# Altium PCB VESC_DEVICE.PcbDoc (continued)
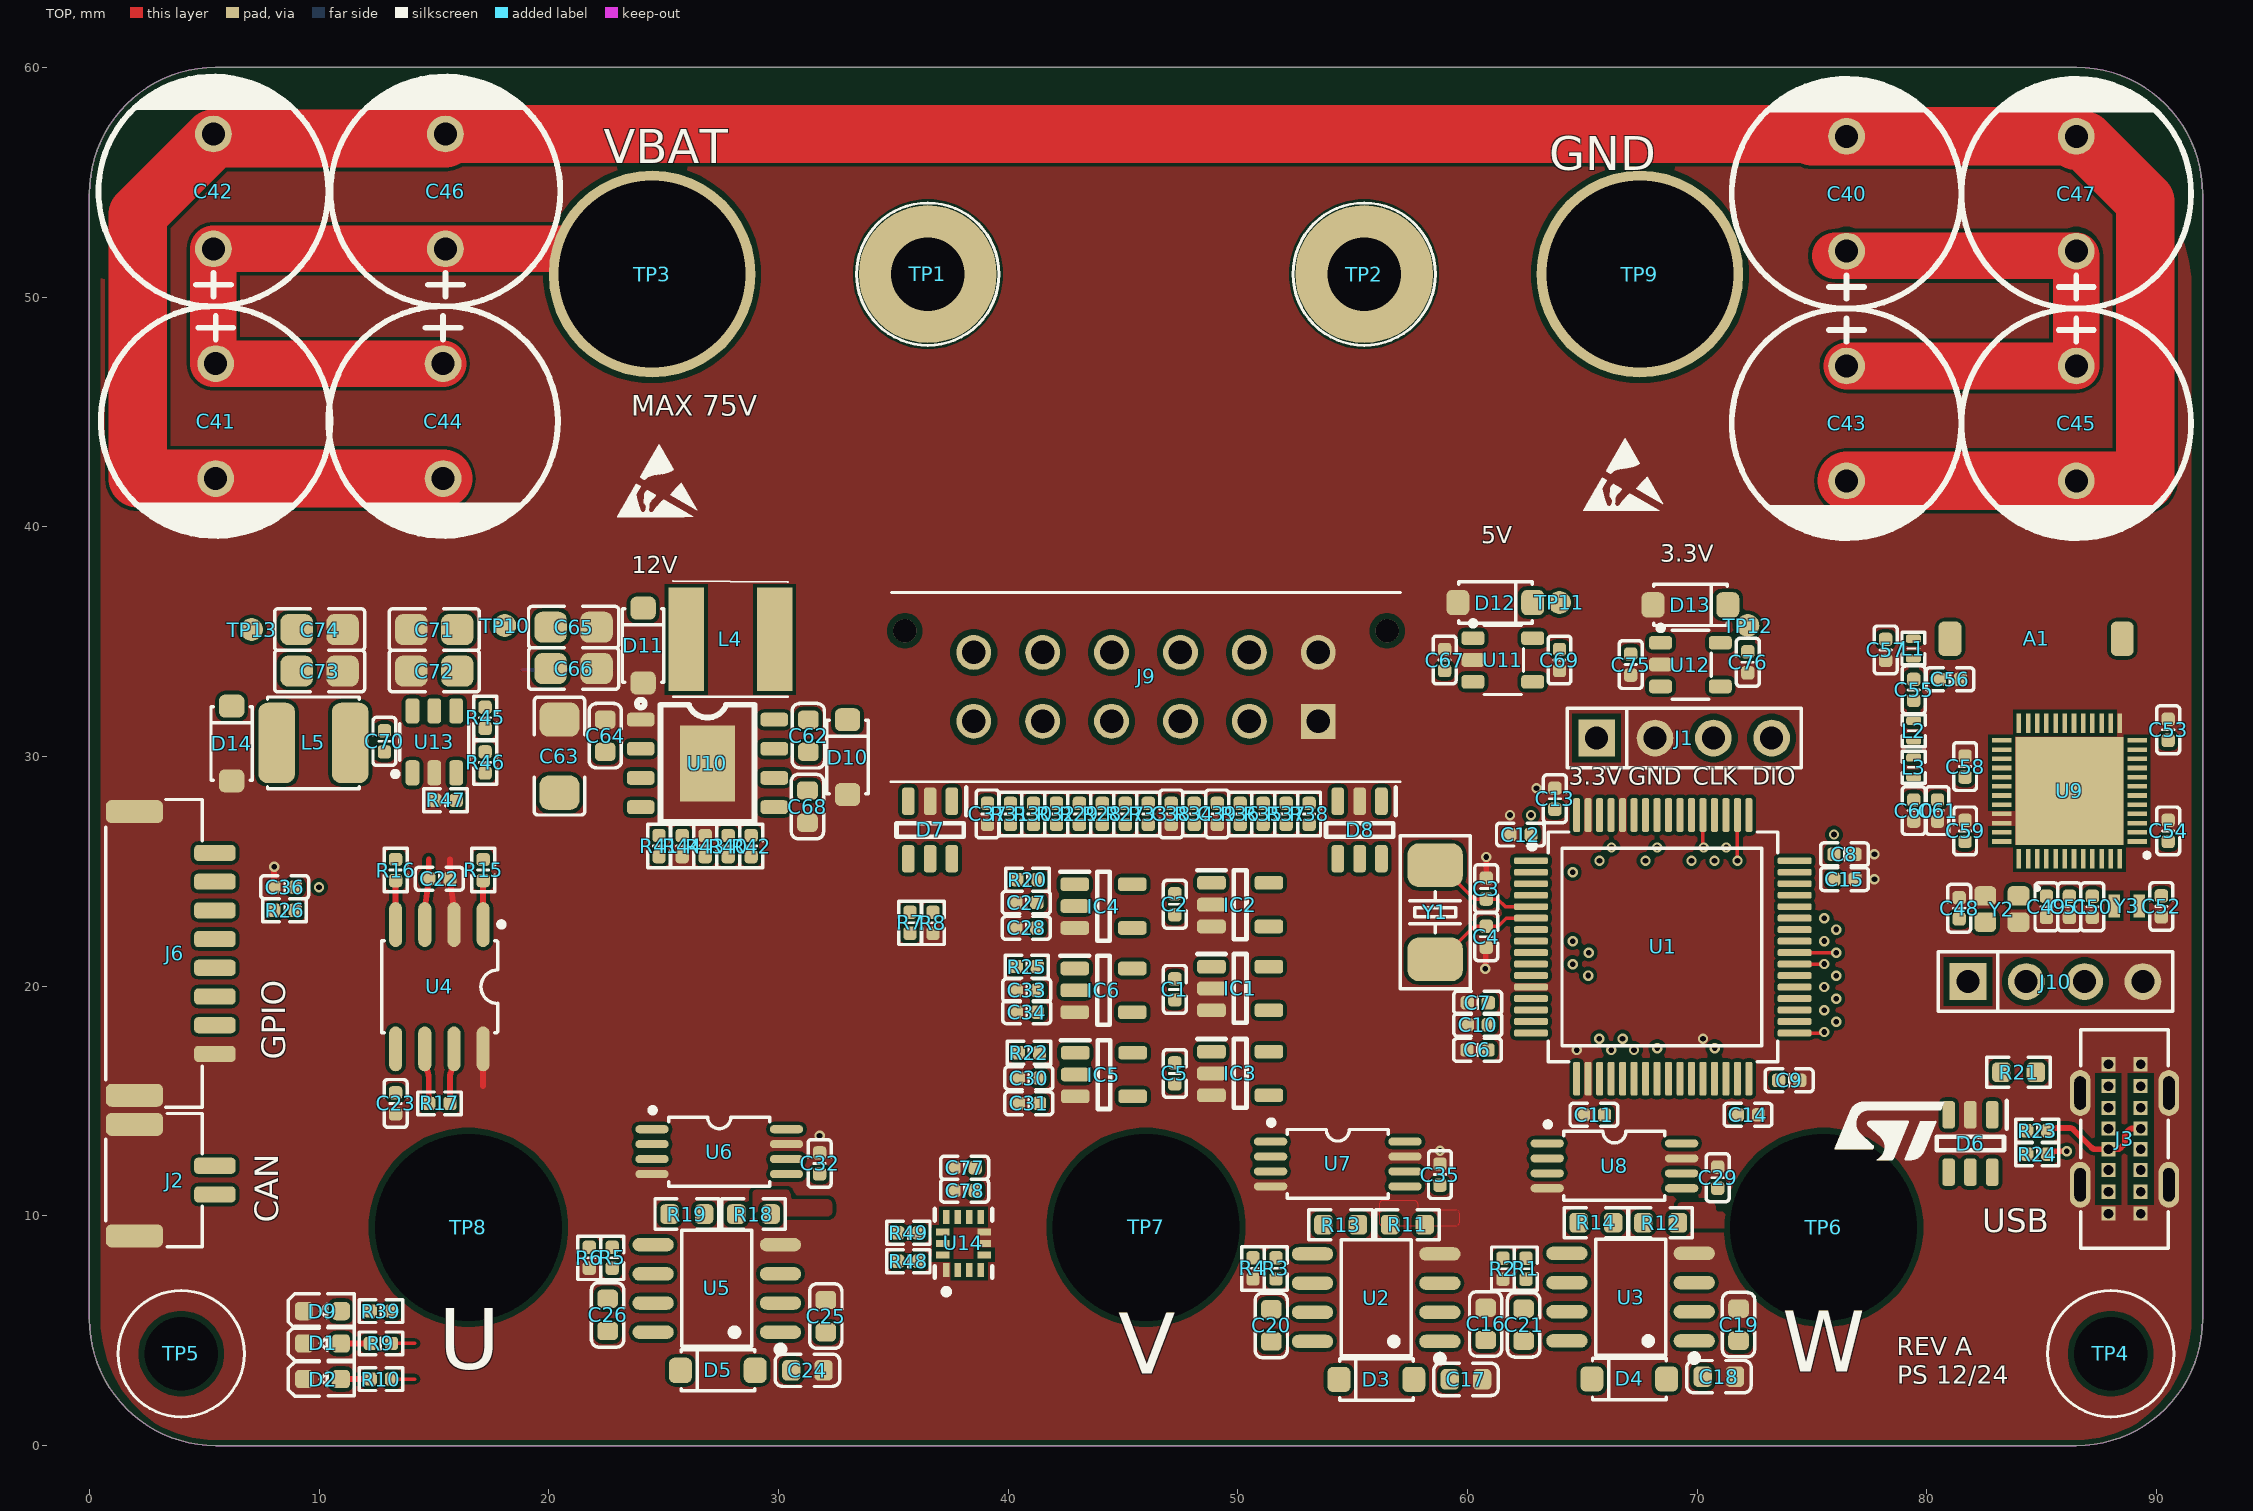
[diagram p0: TOP view]
## Footprints (in the part's own frame and the unit in brackets; to place one, negate y for a bottom-side part, rotate by r counter-clockwise, add the part's x,y. Pads: shape width x height; smd on the part's side, far side on the other; paste and mask are expansions set on the pad)
43045-12YY_121314 [mm]
  rect 1.52x1.52 hole 1.02: 1(7.5,-1.97)
  round 1.52 hole 1.02: 2(4.5,-1.97) 3(1.5,-1.97) 4(-1.5,-1.97) 5(-4.5,-1.97) 6(-7.5,-1.97) 7(7.5,1.03) 8(4.5,1.03) 9(1.5,1.03) 10(-1.5,1.03) 11(-4.5,1.03) 12(-7.5,1.03)
  round 1.02 hole 1.02 unplated: 13(10.5,1.97) 14(-10.5,1.97)
  silkscreen extent -11.1,-4.6 11.07,3.63, body extent -10.95,-4.51 11.19,4.26, height 8.83
ABS0532768KHZ9T [mm]
  rect 0.5x1 smd: 1(-0.55,0) 2(0.55,0)
  silkscreen extent -1.4,-0.05 -1.3,0.05, body extent -0.8,-0.5 0.8,0.5, height 0.5
ANT-2.4GHZ-8.0X1.0MM [mm] "ANT-2.4GHZ-8.0X1.0MM"
  rrect50% 1x1.5 smd: 1(-3.75,0) NC(3.75,0)
  body extent -4.75,-1.05 4.75,1.05, height 1
C0402 [mm] "C0402"
  rrect52% 0.58x0.58 smd mask+0.05: 1(-0.46,0) 2(0.46,0)
  silkscreen extent -1.04,-0.5 1.04,0.5, body extent -0.5,-0.25 0.5,0.25, height 0.55
C0603 [mil] "C0603"
  rrect50% 31.5x35.4 smd: 1(-27.6,0) 2(27.6,0)
  silkscreen extent -55,-28 55,28, body extent -32,-16 31,16, height 35
C0805 [mil] "C0805"
  rrect50% 55.5x53.1 smd: 1(-39.4,0) 2(39.4,0)
  silkscreen extent -77,-36 77,36, body extent -39,-25 39,25, height 55
C1206 [mil] "C1206"
  rrect50% 58.5x68 smd: 1(-62.7,0) 2(62.6,0)
  silkscreen extent -101,-43 101,43, body extent -63,-31 63,31, height 50
CAP-TH_BD10.0-P5.00-D0.6-FD [mm]
  round 1.6 hole 1 paste-2539.97 mask+0.05: 1(-2.5,0) 2(2.5,0)
  silkscreen extent -5,-5 5.08,5, body extent -4.99,-5 5,5, height 24.91
ESOP-8_L4.9-W3.9-P1.27-LS6.0-BL-EP [mm]
  rrect50% 0.6x1.2 smd: 1(-1.905,-2.908) 2(-0.635,-2.908) 3(0.635,-2.908) 4(1.905,-2.908) 5(1.905,2.908) 6(0.635,2.908) 7(-0.635,2.908) 8(-1.905,2.908)
  rect 3.3x2.4 smd: 9(0,0)
  silkscreen extent -2.77,-3.07 2.55,2.05, body extent -2.45,-3 2.45,3, height 1.5
HDR-SMD_6P-P1.27-V-M-R2-C3-LS5.3 [mm]
  rect 0.74x2.4 smd paste+0 mask+0.05: 1(-1.27,1.95) 2(-1.27,-1.95) 3(0,1.95) 4(0,-1.95) 5(1.27,1.95) 6(1.27,-1.95)
  silkscreen extent -2.2,-1.75 2.06,2.64
HOLE-4MM_M#1 [mm]
  round 6 hole 3.2: 1(0,0)
  silkscreen extent -3.1,-3.1 3.1,3.1
HOLE-4MM_M#2 [mm]
  round 0 hole 3.2 unplated: 1(0,0)
  silkscreen extent -2.75,-2.75 2.75,2.75
HOLE-8MM_M#1 [mm]
  round 9 / inner round 4 / far side round 9 hole 8.15: 1(0,0)
HOLE-8MM_M#2 [mm]
  round 0 hole 8.15 unplated: 1(0,0)
HOLE-8MM_M#3 [mm]
  round 9 / inner round 4 / far side round 9 hole 8.15: 1(1,0)
ISP-4P-2_54 [mm] "ISP-4P-2_54"
  rect 1.6x1.6 hole 1: 1(-3.81,0)
  round 1.6 hole 1: 2(-1.27,0) 3(1.27,0) 4(3.81,0)
  silkscreen extent -5.1,-1.3 5.1,1.3, body extent -5.08,-1.33 5.09,1.33, height 8.54
L4020 [mil] "L4020"
  rrect50% 63x137.8 smd: 1(-63,0) 2(63,0)
  silkscreen extent -79,-79 79,79, body extent -79,-79 79,79, height 73
L5040 [mm]
  rect 1.55x4.5 smd: 1(-1.925,0) 2(1.925,0)
  silkscreen extent -2.5,-2.54 2.5,2.5, body extent -2.5,-2.52 2.5,2.48, height 4.01
LED0603 [mil] "LED0603"
  rrect50% 31.5x31.5 smd: 1(-31.5,0) 2(31.5,0)
  silkscreen extent -59,-30 55,30
LQFP64_10X10_05P [mm] "LQFP64_10X10_05P"
  rrect50% 0.3x1.475 smd: 1(-3.749,-5.751) 2(-3.249,-5.751) 3(-2.749,-5.751) 4(-2.249,-5.751) 5(-1.749,-5.751) 6(-1.249,-5.751) 7(-0.749,-5.751) 8(-0.249,-5.751) 9(0.251,-5.751) 10(0.751,-5.751) 11(1.251,-5.751) 12(1.751,-5.751) 13(2.251,-5.751) 14(2.751,-5.751) 15(3.251,-5.751) 16(3.751,-5.751) 33(3.751,5.725) 34(3.251,5.725) 35(2.751,5.725) 36(2.251,5.725) 37(1.751,5.725) 38(1.251,5.725) 39(0.751,5.725) 40(0.251,5.725) 41(-0.249,5.725) 42(-0.749,5.725) 43(-1.249,5.725) 44(-1.749,5.725) 45(-2.249,5.725) 46(-2.749,5.725) 47(-3.249,5.725) 48(-3.749,5.725)
  rrect50% 1.475x0.3 smd: 17(5.739,-3.763) 18(5.739,-3.263) 19(5.739,-2.763) 20(5.739,-2.263) 21(5.739,-1.763) 22(5.739,-1.263) 23(5.739,-0.763) 24(5.739,-0.263) 25(5.739,0.237) 26(5.739,0.737) 27(5.739,1.237) 28(5.739,1.737) 29(5.739,2.237) 30(5.739,2.737) 31(5.739,3.237) 32(5.739,3.737) 49(-5.737,3.737) 50(-5.737,3.237) 51(-5.737,2.737) 52(-5.737,2.237) 53(-5.737,1.737) 54(-5.737,1.237) 55(-5.737,0.737) 56(-5.737,0.237) 57(-5.737,-0.263) 58(-5.737,-0.763) 59(-5.737,-1.263) 60(-5.737,-1.763) 61(-5.737,-2.263) 62(-5.737,-2.763) 63(-5.737,-3.263) 64(-5.737,-3.763)
  silkscreen extent -5,-5.83 5,5, body extent -5.97,-6 6.03,6, height 1.31
LQG15WH0N7B02D [mm]
  rrect50% 0.35x0.65 smd: 1(-0.425,0) 2(0.425,0)
  silkscreen extent -0.7,-0.5 0.7,0.5, body extent -0.5,-0.25 0.5,0.25, height 0.55
PQFN50P300X250X88-14N [mm]
  rect 0.6x0.3 smd: 1(-1.15,0.75) 2(-1.15,0.25) 3(-1.15,-0.25) 4(-1.15,-0.75) 8(1.15,-0.75) 9(1.15,-0.25) 10(1.15,0.25) 11(1.15,0.75)
  rect 0.3x0.6 smd: 5(-0.5,-0.9) 6(0,-0.9) 7(0.5,-0.9) 12(0.5,0.9) 13(0,0.9) 14(-0.5,0.9)
  silkscreen extent -2.22,-1.25 1.5,1.25, body extent -1.5,-1.25 1.5,1.25, height 1
Q22FA12800400 [mm]
  rrect50% 0.95x0.85 smd: 1(-0.725,-0.575) 2(0.725,-0.575) 3(0.725,0.575) 4(-0.725,0.575)
  silkscreen extent -1.6,-0.95 -1.5,-0.85, body extent -1.11,-0.91 1.11,0.91, height 0.6
QFN40P600X600X95-49N-D [mm]
  rect 0.85x0.2 smd: 1(-2.95,2.2) 2(-2.95,1.8) 3(-2.95,1.4) 4(-2.95,1) 5(-2.95,0.6) 6(-2.95,0.2) 7(-2.95,-0.2) 8(-2.95,-0.6) 9(-2.95,-1) 10(-2.95,-1.4) 11(-2.95,-1.8) 12(-2.95,-2.2) 25(2.95,-2.2) 26(2.95,-1.8) 27(2.95,-1.4) 28(2.95,-1) 29(2.95,-0.6) 30(2.95,-0.2) 31(2.95,0.2) 32(2.95,0.6) 33(2.95,1) 34(2.95,1.4) 35(2.95,1.8) 36(2.95,2.2)
  rect 0.2x0.85 smd: 13(-2.2,-2.95) 14(-1.8,-2.95) 15(-1.4,-2.95) 16(-1,-2.95) 17(-0.6,-2.95) 18(-0.2,-2.95) 19(0.2,-2.95) 20(0.6,-2.95) 21(1,-2.95) 22(1.4,-2.95) 23(1.8,-2.95) 24(2.2,-2.95) 37(2.2,2.95) 38(1.8,2.95) 39(1.4,2.95) 40(1,2.95) 41(0.6,2.95) 42(0.2,2.95) 43(-0.2,2.95) 44(-0.6,2.95) 45(-1,2.95) 46(-1.4,2.95) 47(-1.8,2.95) 48(-2.2,2.95)
  rect 4.7x4.7 smd: 49(0,0)
  silkscreen extent -3.47,2.7 -3.28,2.9, body extent -3.05,-3.05 3.05,3.05, height 0.95
R0402 [mm] "R0402"
  rrect52% 0.58x0.58 smd mask+0.05: 1(-0.46,0) 2(0.46,0)
  silkscreen extent -0.94,-0.5 0.94,0.5, body extent -0.5,-0.25 0.5,0.25, height 0.4
R0603 [mil] "R0603"
  rrect50% 31.7x34 smd: 1(-29.6,0) 2(29.6,0)
  silkscreen extent -54,-26 54,26, body extent -31,-17 31,17, height 20
SHORT [mil] "SHORT"
  rect 30x15 smd far side mask+0: 1(-14.9,0)
  rect 30x15 smd far side paste+0 mask+0: 2(14.9,0)
SMD5032-2P [mil] "SMD5032-2P"
  rrect50% 74.8x94.5 smd: 1(-80.7,0) 2(80.7,0)
  silkscreen extent -131,-60 131,60, body extent -98,-63 98,63, height 56
SMD-2P-1_25 [mil] "SMD-2P-1_25"
  rrect50% 27.6x70.9 smd: 1(-24.6,76.75) 2(24.6,76.75)
  rrect50% 39.4x98.4 smd: 3(-95.5,-61.05) 4(95.5,-61.05)
  silkscreen extent -114,-110 114,55, body extent -113,-109 113,85, height 165
SMD-8P-1_25 [mil] "SMD-8P-1_25"
  rrect50% 27.6x70.9 smd: 1(-172.2,76.75) 2(-123,76.75) 3(-73.8,76.75) 4(-24.6,76.75) 5(24.6,76.75) 6(73.8,76.75) 7(123,76.75) 8(172.2,76.75)
  rrect50% 39.4x98.4 smd: 9(-243.1,-61.05) 10(243.1,-61.05)
  silkscreen extent -264,-110 264,55, body extent -261,-105 261,90, height 163
SOD-123F [mm] "SOD-123F"
  rrect50% 1.001x1.1 smd: 1(-1.628,0) 2(1.628,0)
  silkscreen extent -1.6,-0.9 1.6,0.9, body extent -1.85,-0.9 1.85,0.9, height 1.19
SOIC-8_L4.9-W3.9-P1.27-LS6.0-BL [mm]
  oval 0.588x1.8 smd: 1(-1.905,-2.772) 2(-0.635,-2.772) 3(0.635,-2.772) 4(1.905,-2.772) 5(1.905,2.772) 6(0.635,2.772) 7(-0.635,2.772) 8(-1.905,2.772)
  silkscreen extent -2.8,-2.92 2.53,1.52, body extent -2.45,-3 2.45,3, height 1.75
SOP-8 [mil] "SOP-8"
  oval 22.4x76.81 smd: 1(-75,-106.5) 2(-25,-106.5) 3(25,-106.5) 4(75,-106.5) 5(75,106.5) 6(25,106.5) 7(-25,106.5) 8(-75,106.5)
  silkscreen extent -110,-111 98,79, body extent -96,-118 96,118, height 69
SOT95P275X110-5N [mm]
  rrect50% 1.25x0.6 smd: 1(-1.25,0.95) 2(-1.25,0) 3(-1.25,-0.95) 4(1.25,-0.95) 5(1.25,0.95)
  silkscreen extent -1.88,-1.5 0.28,1.5, body extent -1.38,-1.5 1.38,1.5, height 1.1
SOT95P280X145-6N [mm]
  rrect50% 1.2x0.55 smd: 1(-1.25,0.95) 2(-1.25,0) 3(-1.25,-0.95) 4(1.25,-0.95) 5(1.25,0) 6(1.25,0.95)
  silkscreen extent -1.85,-1.46 0.3,1.58, body extent -1.4,-1.46 1.4,1.46, height 1.45
SOT-23-5 [mm] "SOT-23-5"
  rrect50% 1.001x0.599 smd: 1(1.301,-0.95) 2(1.301,0) 3(1.301,0.95) 4(-1.301,0.95) 5(-1.301,-0.95)
  silkscreen extent -0.9,-1.7 1.4,1.5, body extent -1.4,-1.45 1.4,1.45, height 1.3
SOT-23-6 [mm] "SOT-23-6"
  rrect50% 1.1x0.599 smd: 1(1.349,-0.95) 2(1.349,0) 3(1.349,0.95) 4(-1.349,0.95) 5(-1.349,0) 6(-1.349,-0.95)
  silkscreen extent -0.8,-1.8 1.5,1.5, body extent -1.4,-1.45 1.4,1.45, height 0.97
test_point_100_smd [mm] "TEST_POINT_100_SMD"
  round 1 smd paste-100 mask+0.05: 1(0,0)
TSSOP-8 [mm] "TSSOP-8"
  oval 0.353x1.453 smd: 1(-0.975,-2.926) 2(-0.325,-2.926) 3(0.325,-2.926) 4(0.975,-2.926) 5(0.975,2.926) 6(0.325,2.926) 7(-0.325,2.926) 8(-0.975,2.926)
  silkscreen extent -1.9,-3 1.5,2.2, body extent -1.5,-3.2 1.5,3.2, height 1.2
TYPE-C-TH_16PLC-H10.0 [mm]
  rect 0.62x0.62 hole 0.42 paste-2539.97 mask+0.05: A1(-3.25,0.7) A4(-2.3,0.7) A5(-1.35,0.7) A6(-0.45,0.7) A7(0.45,0.7) A8(1.35,0.7) A9(2.3,0.7) A12(3.25,0.7) B1(3.25,-0.7) B4(2.3,-0.7) B5(1.35,-0.7) B6(0.45,-0.7) B7(-0.45,-0.7) B8(-1.35,-0.7) B9(-2.3,-0.7) B12(-3.25,-0.7)
  oval 2x0.9 hole 0.5 slot 1.45 at 0 deg paste-2539.97 mask+0.05: A2(-2,1.93) A10(2,1.93) B2(2,-1.93) B10(-2,-1.93)
  silkscreen extent -4.75,-1.9 4.75,1.9, body extent -4.47,-2.08 4.47,2.08, height 10

## Part data
A1: library part "Ceramic _ANTENNA", "None", AMBIQ PN=PCB_ANTENNA
C1 C2 C3 C4 C5 C6 C7 C8 C9 C10 C11 C12 C13 C14 C15 C16 C17 C18 C19 C20 C21 C22 C23 C24 C25 C26 C27 C28 C29 C30 C31 C32 C33 C34 C35 C36 C37 C38 C39 C48 C49 C50 C51 C52 C53 C54 C55 C56 C57 C58 C59 C60 C61 C62 C63 C64 C65 C66 C67 C68 C69 C70 C71 C72 C73 C74 C75 C76 C77 C78: library part "CAP NP"
  C1 C2 C3 C4 C5 C6 C7 C8 C9 C10 C11 C12 C13 C14 C15 C22 C23 C27 C28 C29 C30 C31 C32 C33 C34 C35 C36 C37 C38 C39 C48 C49 C50 C51 C52 C53 C54 C55 C56 C57 C58 C59 C60 C61 C67 C69 C70 C75 C76 C77 C78: PCB Footprint=C0402
  C16 C17 C18 C19 C20 C21 C24 C25 C26 C62 C64 C68: PCB Footprint=C0603
  C63: PCB Footprint=C1206
  C65 C66 C71 C72 C73 C74: PCB Footprint=C0805
C40 C41 C42 C43 C44 C45 C46 C47: library part ERS1VM681G16OT, "容值:680uF;精度:±20%;额定电压:35V;纹波电流:-;等效串联电阻:-;", Equivalent Series Resistance(ESR)=-, LCSC Part Name="680uF ±20% 35V", Manufacturer=AISHI(艾华集团), Rated Voltage=35V, Tolerance=±20%, Add into BOM=yes, Convert to PCB=yes, Datasheet=https://atta.szlcsc.com/upload/public/pdf/source/20191015/C438940_4B8E60A742BB0AE40DDEF87A5C89089D.pdf, Device=ERS1VM681G16OT, L=-, Lead Spacing=-, Lifetime @ Temp=-, Manufacturer Part=ERS1VM681G16OT, Ripple Current=-, Supplier=LCSC, Supplier Footprint=插件,D10xL16mm, Supplier Part=C721283, Symbol=ERS1VM681G16OT, φD=-
D1 D2 D9: library part LED, PCB Footprint=LED0603
D3 D4 D5 D10 D11 D12 D13 D14: library part "DIODE SCHOTTKY21", PCB Footprint=SOD-123F
D6 D7 D8: "TVS Diode (Uni-directional)", Manufacturer_Name=LITTELFUSE, Mouser Part Number=576-SRV05-4HTG, Arrow Part Number=SRV05-4HTG, Arrow Price/Stock=https://www.arrow.com/en/products/srv05-4htg/littelfuse?region=nac, Datasheet Link=https://componentsearchengine.com/Datasheets/2/SRV05-4HTG.pdf, Height=1.45mm, Manufacturer_Part_Number=SRV05-4HTG, Mouser Price/Stock=https://www.mouser.co.uk/ProductDetail/Littelfuse/SRV05-4HTG?qs=TI15CVqcli3Liexbf3C%2FVA%3D%3D
IC1 IC2 IC3 IC4 IC5 IC6: "Integrated Circuit", Manufacturer_Name=onsemi, Mouser Part Number=N/A, Datasheet Link=https://pdf1.alldatasheet.com/datasheet-pdf/view/148919/ETL/MC74VHC1GT66.html, Height=1.1mm, Manufacturer_Part_Number=MC74VHC1GT66, Mouser Price/Stock=https://www.mouser.co.uk/ProductDetail/onsemi/MC74VHC1GT66?qs=YA77FY0Msbu77w80Y0DYXA%3D%3D
J3: "连接器类型:Type-C;标准:USB 3.1;公母:母;安装方式:直插;触点数量:16P;端口数量:1;额定电流 - 电源:5A;触头材质:-;触头镀层:-;工作温度范围:-40℃~+85℃;", Core Colour=黑色, Current Rating - Power (Max)=5A, LCSC Part Name="Type-C 母 直插", Manufacturer="SHOU HAN(首韩)", Operating Temperature Range=-40℃~+85℃, Rated Voltage (Max)=20V, Add into BOM=yes, Connect-Disconnect Life=1万次, Connector Type=Type-C, Contact Material=-, Contact Plating=-, Convert to PCB=yes, Datasheet=https://atta.szlcsc.com/upload/public/pdf/source/20240529/CC9428849977884A813B584EA396EFE9.pdf, Device="TYPE-C 16PLC-H10.0", Gender=母, Manufacturer Part="TYPE-C 16PLC-H10.0", Mounting Style=直插, Number of Contacts=16P, Number of Ports=1, Standard="USB 3.1", Supplier=LCSC, Supplier Footprint=插件, Supplier Part=C3151747, Symbol="TYPE-C 16PLC-H10.0"
J4 J5 J7 J8: Color=黑色, Current Rating (Max)=1A, JLCPCB Part Class="Extended Part", LCSC Part Name="2x3P 间距:1.27mm 方针 立贴", Manufacturer=HCTL(华灿天禄), Operating Temperature Range=-40℃~+105℃, Soldering Temperature(Max)=260℃@10S, Add into BOM=yes, Circluar Pins/Square Pins=方针, Contact Material=黄铜, Convert to PCB=yes, Datasheet=https://atta.szlcsc.com/upload/public/pdf/source/20230609/2ACB07ADC7D4DAF6D292F3D23C037F6C.pdf, Device=PZ127-2-03-S, Insulation Height=1.5mm, Length of End Connection Pin=-, Length of Mating Pin=4mm, Manufacturer Part=PZ127-2-03-S, Mounting Type=立贴, Number of Pins=6P, Number of Rows=双排, Pin Structure=2x3P, Pitch=1.27mm, Row Spacing=1.27mm, Supplier=LCSC, Supplier Footprint=SMD,P=1.27mm, Supplier Part=C3975186, Symbol=PZ127-2-03-S
J9: "Connector", Manufacturer_Name=Molex, Mouser Part Number=538-43045-1212, Datasheet Link=https://www.molex.com/pdm_docs/sd/430450612_sd.pdf, Height=9.91mm, Manufacturer_Part_Number=43045-1212, Mouser Price/Stock=https://www.mouser.co.uk/ProductDetail/Molex/43045-1212?qs=359VwiUTsp27ERpkj8aHfQ%3D%3D
JP1 JP2: library part SHORT, "2 PIN SHORTED TO CONNECT DIFFERENT NETS", CLASS=DISCRETE, PART_NUMBER=TMP-442
L1 L2 L3: library part LQG15HS4N7C02D, "Inductor", Manufacturer_Name="Murata Electronics", Mouser Part Number=81-LQG15HS4N7C02D, Arrow Part Number=LQG15HS4N7C02D, Arrow Price/Stock=https://www.arrow.com/en/products/lqg15hs4n7c02d/murata-manufacturing, Datasheet Link=https://search.murata.co.jp/Ceramy/image/img/P02/JELF243B-0010.pdf, Height=0.6mm, Manufacturer_Part_Number=LQG15HS4N7C02D, Mouser Price/Stock=https://www.mouser.co.uk/ProductDetail/Murata-Electronics/LQG15HS4N7C02D?qs=60uY6ySkanQsgm4t8ngjFA%3D%3D
L4: library part 74404054221, "Inductor", Manufacturer_Name="Wurth Elektronik", Mouser Part Number=710-74404054221, Datasheet Link=https://www.mouser.com/datasheet/2/445/74404054221-1280555.pdf, Height=4mm, Manufacturer_Part_Number=74404054221, Mouser Price/Stock=https://www.mouser.co.uk/ProductDetail/Wurth-Elektronik/74404054221?qs=f9yNj16SXrLBSuRgk86STQ%3D%3D
L5: library part INDUCTOR, PCB Footprint=L4020
R1 R2 R3 R4 R5 R6 R7 R8 R9 R10 R11 R12 R13 R14 R15 R16 R17 R18 R19 R20 R21 R22 R23 R24 R25 R26 R27 R28 R29 R30 R31 R32 R33 R34 R35 R36 R37 R38 R39 R40 R41 R42 R43 R44 R45 R46 R47 R48 R49: library part RESISTOR
  R1 R2 R3 R4 R5 R6 R7 R8 R9 R10 R11 R12 R13 R14 R15 R16 R17 R18 R19 R20 R22 R23 R24 R25 R26 R27 R28 R29 R30 R31 R32 R33 R34 R35 R36 R37 R38 R39 R40 R41 R42 R43 R44 R45 R46 R47 R48 R49: PCB Footprint=R0402
  R21: PCB Footprint=R0603
U2 U3 U5: JLCPCB Part Class="Extended Part", Manufacturer=EG(屹晶微), Add into BOM=yes, Convert to PCB=yes, Datasheet=https://atta.szlcsc.com/upload/public/pdf/source/20230725/3992D5BD05E91E0CBB5D3EE72F4B3B26.pdf, Device=EG3112, LCSC Part Name=EG3112, Manufacturer Part=EG3112, Supplier=LCSC, Supplier Footprint=SOIC-8, Supplier Part=C111908, Symbol=EG3112
U9: "Integrated Circuit", Arrow Part Number=NRF51822-QFAA-R, Manufacturer_Name="Nordic Semiconductor", Mouser Part Number=949-NRF51822-QFAA-R, Arrow Price/Stock=https://www.arrow.com/en/products/nrf51822-qfaa-r/nordic-semiconductor?utm_currency=USD&region=nac, Datasheet Link=https://datasheet.datasheetarchive.com/originals/distributors/Datasheets-DGA5/435665.pdf, Height=0.95mm, Manufacturer_Part_Number=nRF51822-QFAA-R, Mouser Price/Stock=https://www.mouser.co.uk/ProductDetail/Nordic-Semiconductor/nRF51822-QFAA-R?qs=7xCC5jQa1OJP%2FZdtChopZw%3D%3D
U10: Input Voltage=4.5V~100V, LCSC Part Name=宽输入范围1.2A降压DC-DC转换器, Manufacturer=SCT(芯洲科技), Operating Temperature=-40℃~+125℃@(TJ), Output Current=1.2A, Switching Frequency=300kHz, Add into BOM=yes, Convert to PCB=yes, Datasheet=https://atta.szlcsc.com/upload/public/pdf/source/20211013/6F4F933FB08DD1E1458E8CCC6D5C6936.pdf, Device=SCT2A23ASTER, Function=降压型, Manufacturer Part=SCT2A23ASTER, Number of Outputs=1, Supplier=LCSC, Supplier Footprint=ESOP-8, Supplier Part=C2901894, Switch tube (built-in/external)=内置, Symbol=SCT2A23ASTER
U14: "Integrated Circuit", Manufacturer_Name=BOSCH, Mouser Part Number=262-BMI160, Arrow Part Number=BMI160, Arrow Price/Stock=https://www.arrow.com/en/products/bmi160/bosch?region=nac, Datasheet Link=https://datasheet.datasheetarchive.com/originals/distributors/DKDS41/DSANUWW0031095.pdf, Height=0.88mm, Manufacturer_Part_Number=BMI160, Mouser Price/Stock=https://www.mouser.co.uk/ProductDetail/Bosch-Sensortec/BMI160?qs=Lj1LZLjqIN1DEsUDgjehlg%3D%3D
Y1: library part CRYSTAL, PCB Footprint=SMD5032-2P
Y2: library part Q22FA12800400, "Crystal or Oscillator", Manufacturer_Name="Seiko Epson Corporation", Datasheet Link=https://datasheet.lcsc.com/szlcsc/Seiko-Epson-Q22FA12800400_C255875.pdf, Height=0.5mm, Manufacturer_Part_Number=Q22FA12800400
Y3: library part ABS05-32.768KHZ-9-T, "Crystal or Oscillator", Manufacturer_Name=ABRACON, Mouser Part Number=815-ABS05-32.768K9T, Arrow Part Number=ABS05-32.768KHZ-9-T, Arrow Price/Stock=https://www.arrow.com/en/products/abs05-32.768khz-9-t/abracon?region=nac, Datasheet Link=https://abracon.com/Resonators/ABS05.pdf, Height=0.5mm, Manufacturer_Part_Number=ABS05-32.768KHZ-9-T, Mouser Price/Stock=https://www.mouser.co.uk/ProductDetail/ABRACON/ABS05-32.768KHZ-9-T?qs=Pyu0ZBy%2FIJbsNYnIET1z3A%3D%3D
J1 J10: PCB Footprint=ISP-4P-2_54
J2: PCB Footprint=SMD-2P-1_25
U1: PCB Footprint=LQFP64_10X10_05P
U4: PCB Footprint=SOP-8
U6 U7 U8: PCB Footprint=TSSOP-8
U11 U12: PCB Footprint=SOT-23-5
U13: PCB Footprint=SOT-23-6

## Via types
v1: diameter 0.45, hole 0.25, TOP to BOTTOM, tented both sides, 46 vias

## Nets (pads, with @x,y where several pads share a name; then routed paths per layer and width w, separated by ;. In a path a pad name is that pad's centre, name@x,y a point inside that pad or via, vN(x,y) a via of type N, cw(c..) or ccw(c..) an arc to the next point about the centre after c; other vN are vias at no path point)
3V3: C8.2 C9.2 C10.2 C11.2 C12.2 C13.2 C23.1 C29.2 C32.2 C35.2 C76.1 C77.1 C78.1 D7.5 D8.5 D13.1 IC1.5 IC2.5 IC3.5 IC4.5 IC5.5 IC6.5 J1.1 J4.6 J5.6 J6.7 J8.6 R27.2 R28.2 R29.2 R31.2 R37.2 R38.1 R48.2 R49.2 TP12.1 U1.1 U1.13 U1.19 U1.32 U1.48 U1.64 U4.5 U6.5 U6.6 U7.5 U7.6 U8.5 U8.6 U12.5 U14.5 U14.8 U14.12 | length 0.1
  TOP w0.508: U4.5 U4.5@13.332,17.357
  other v1: 65.737,17.714 75.949,26.6 62.76,27.448
3V3_RF: C53.2 C54.2 C59.2 C69.1 D12.1 J10.1 TP11.1 U9.1 U9.12 U9.35 U9.36 U11.5
5V: C22.2 C67.1 C73.1 C74.1 C75.1 D6.5 D14.1 J6.6 L5.2 R21.2 R35.2 R36.1 R46.2 TP13.1 U4.3 U11.1 U11.3 U12.1 U12.3 | length 2.8
  TOP w0.254: U4.3 14.602,23.372 U4.3@14.602,23.374 ; U4.3@14.602,23.374 14.76,24.536 C22.2@14.777,24.662 ; C22.2 14.777,25.516
12V: C16.2 C17.2 C18.2 C19.2 C24.2 C25.2 C65.1 C66.1 C71.1 C72.1 D3.2 D4.2 D5.2 D11.1 L4.2 R40.2 R45.2 TP10.1 U2.1 U3.1 U5.1 U13.5
ADC_TEMP: J4.4 U1.17
ADC_TEMP2: J5.4 U1.26
ADC_TEMP3: J8.4 U1.27
ADC_VIN: C7.2 R7.1 R8.2 U1.11
  other v1: 65.248,20.46
BMI160_SCL: R49.1 U1.50 U14.13 | length 2
  TOP w0.152: v1(71.748,25.46) U1.50
BMI160_SDA: R48.1 U1.28 U14.14
BUCK_EN: J9.11 R32.2 R41.2
CAN_H: J2.2 R17.1 U4.7 | length 2.2
  TOP w0.254: R17.1@15.697,15.15 15.697,16.009 cw(c16.459,16.009) 15.755,16.302 15.872,16.58 U4.7
CAN_L: J2.1 R17.2 U4.6 | length 2.2
  TOP w0.254: U4.6 14.602,16.58 14.718,16.304 cw(c14.015,16.009) 14.777,16.011 R17.2@14.777,15.15
CAN_RX: R16.2 U1.61
  other v1: 66.263,26.039
CAN_TX: R15.2 U1.62
  other v1: 65.74,25.46
CLK_NRF: J10.3 U9.24
CURRENT_A: C27.2 IC4.1 R20.1 U1.8
  other v1: 64.573,21.959
CURRENT_A_OUT: R20.2 U6.8
CURRENT_B: C30.2 IC5.1 R22.1 U1.9
  other v1: 65.276,21.458
CURRENT_B_OUT: R22.2 U7.8
CURRENT_C: C33.2 IC6.1 R25.1 U1.10
  other v1: 64.573,20.96
CURRENT_C_OUT: R25.2 U8.8
CURRENT_FILTER: IC4.4 IC5.4 IC6.4 U1.54
DIO_NRF: J10.2 U9.23
GHA: J4.1 R18.1
GHB: J8.1 R11.1
GHC: J7.2 R12.1
GLA: J4.2 R19.1
GLB: J8.2 R13.1
GLC: J7.1 R14.1
GND: C3.1 C4.1 C6.2 C7.1 C8.1 C9.1 C10.1 C11.1 C12.1 C13.1 C14.2 C15.2 C16.1 C17.1 C18.1 C19.1 C22.1 C23.2 C24.1 C25.1 C27.1 C28.1 C29.1 C30.1 C31.1 C32.1 C33.1 C34.1 C35.1 C36.1 C37.2 C38.1 C39.1 C48.2 C49.2 C50.2 C51.2 C52.2 C53.1 C54.1 C56.1 C57.1 C58.1 C59.1 C60.1 C61.1 C63.2 C64.2 C65.2 C66.2 C67.2 C68.2 C69.2 C71.2 C72.2 C73.2 C74.2 C75.2 C76.2 C77.2 C78.2 D1.1 D2.1 D6.2 D7.2 D8.2 D9.1 D10.2 D11.2 D12.2 D13.2 D14.2 IC1.2 IC1.3 IC2.2 IC2.3 IC3.2 IC3.3 IC4.3 IC5.3 IC6.3 J1.2 J2.3 J2.4 J3.A1 J3.A2 J3.A10 J3.A12 J3.B1 J3.B2 J3.B10 J3.B12 J5.2 J6.8 J6.9 J6.10 J9.1 J9.7 J10.4 JP1.1 JP2.1 R2.1 R4.1 R6.1 R8.1 R43.1 R44.1 R47.1 U1.12 U1.18 U1.60 U1.63 U2.4 U3.4 U4.2 U4.8 U5.4 U6.4 U6.7 U7.4 U7.7 U8.4 U8.7 U9.13 U9.33 U9.34 U9.49 U10.1 U10.9 U11.2 U12.2 U13.2 U14.1 U14.6 U14.7 Y2.2 Y2.4 | length 7.2
  TOP w0.254: C36.1 8.042,24.311 8.042,25.197 v1(8.044,25.198) ; 15.697,25.516 C22.1 15.715,24.536 15.872,23.372 U4.2 ; 17.142,15.658 U4.8 ; v1(60.774,20.753) 60.793,20.772 60.793,21.672 C4.1 ; C3.1 60.815,24.714 60.815,25.62 v1(60.818,25.623)
  other v1: 58.797,12.839 31.791,13.492 64.748,17.225 70.248,17.714 77.71,24.66 77.71,25.739 61.847,27.448 63,28.62
HA: U1.41 U5.2
  other v1: 75.532,21.963
HALL_A: D8.1 J9.5 R29.1 U1.37
  other v1: 75.532,19.963
HALL_B: D8.3 J9.4 R28.1 U1.38
  other v1: 76.049,20.451
HALL_C: D8.6 J9.3 R27.1 U1.39 | length 1.3
  TOP w0.152: U1.39 75.484,20.96 ccw(c75.483,21.417) v1(75.532,20.963)
HB: U1.42 U2.2
  other v1: 76.049,22.462
HC: U1.43 U3.2
  other v1: 75.532,22.957
LA: U1.34 U5.3
  other v1: 76.049,18.455
LB: U1.35 U2.3
  other v1: 75.532,18.957
LC: U1.36 U3.3
  other v1: 76.049,19.451
LED_GREEN: R9.1 U1.57 | length 1
  TOP w0.152: R9.1 14.163,4.446
  other v1: 68.25,26.039
LED_RED: R10.1 U1.59 | length 1
  TOP w0.152: R10.1 14.163,2.896
M_TEMP: C37.1 D8.4 J9.6 R31.1 U1.24
  other v1: 68.256,17.303
MISO_ADC_EXT2: C39.2 D7.1 R34.2 U1.22
  other v1: 67.248,17.225
NetA1_1: A1.1 C57.2 L1.1
NetC1_1: C1.1 IC1.1
NetC2_1: C2.1 IC2.1
NetC3_2: C3.2 U1.5 Y1.2 | length 4.9
  TOP w0.152: Y1.2 58.817,25.267 60.293,23.791 61.318,23.791 61.649,23.46 U1.5
NetC4_2: C4.2 U1.6 Y1.1 | length 4.9
  TOP w0.152: Y1.1 58.84,21.167 60.284,22.611 C4.2 61.336,22.611 61.686,22.96 U1.6
NetC5_1: C5.1 IC3.1
NetC14_1: C14.1 U1.31
NetC15_1: C15.1 U1.47
NetC28_2: C28.2 IC4.2
NetC31_2: C31.2 IC5.2
NetC34_2: C34.2 IC6.2
NetC48_1: C48.1 U9.37 Y2.3
NetC49_1: C49.1 U9.38 Y2.1
NetC50_1: C50.1 U9.45 Y3.2
NetC51_1: C51.1 U9.39
NetC52_1: C52.1 U9.46 Y3.1
NetC55_1: C55.1 C56.2 L1.2
NetC55_2: C55.2 L2.2 U9.32
NetC58_2: C58.2 U9.29
NetC60_2: C60.2 C61.2 L3.1 U9.30
NetC62_1: C62.1 U10.7
NetC62_2: C62.2 D10.1 L4.1 U10.8
NetC68_1: C68.1 U10.6
NetC70_1: C70.1 L5.1 U13.6
NetC70_2: C70.2 U13.1
NetD1_2: D1.2 R9.2 | length 1.3
  TOP w0.254: D1.2 R9.2
NetD2_2: D2.2 R10.2 | length 1.3
  TOP w0.254: D2.2 12.091,2.896 R10.2
NetD9_2: D9.2 R39.1
NetJ3_A4: J3.A4 J3.A9 J3.B4 J3.B9 R21.1
NetJ3_A6: J3.A6 J3.B6 R23.1 | length 5
  TOP w0.254: R23.1@85.195,13.829 86.2,13.829 cw(c86.2,13.575) 86.379,13.755 87.161,12.974 ccw(c87.339,13.154) 87.339,12.9 88.271,12.9 ccw(c88.271,13.154) 88.45,12.974 88.55,13.074 ccw(c88.37,13.253) 88.624,13.253 88.624,13.47 cw(c88.878,13.47) 88.698,13.649 88.775,13.727 cw(c88.954,13.547) 88.954,13.801 J3.B6
NetJ3_A7: J3.A7 J3.B7 R24.1
NetJ5_3: J5.3 J5.5 JP1.2
NetJ6_3: J6.3 R26.2
NetJ7_3: J7.3 J7.5 JP2.2
NetJ9_2: J9.2 R35.1 R37.1
NetJ9_8: J9.8 R36.2 R38.2
NetJ9_9: J9.9 R34.1
NetJ9_10: J9.10 R33.1
NetJ9_12: J9.12 R30.2
NetL2_1: L2.1 L3.2 U9.31
NetR11_2: R11.2 U2.7
NetR12_2: R12.2 U3.7
NetR13_2: R13.2 U2.5
NetR14_2: R14.2 U3.5
NetR15_1: R15.1 U4.1 | length 1.9
  TOP w0.254: U4.1 17.142,24.457 R15.1
NetR16_1: R16.1 U4.4 | length 1.9
  TOP w0.254: U4.4 13.332,24.457 R16.1
NetR18_2: R18.2 U5.7
NetR19_2: R19.2 U5.5
NetR39_2: R39.2 U9.7
NetR40_1: R40.1 R42.2 R43.2
NetR41_1: R41.1 R44.2 U10.3
NetR42_1: R42.1 U10.5
NetR45_1: R45.1 U13.4
NetR46_1: R46.1 R47.2 U13.3
NRST: C6.1 U1.7
PB12: U1.33 | length 1.3
  TOP w0.152: U1.33 75.456,17.96 ccw(c75.454,18.417) 75.532,17.967 v1(75.532,18.003)
PC9: IC1.4 IC2.4 IC3.4 U1.40 | length 1.8
  TOP w0.152: U1.40 74.897,21.46 75.968,21.46 cw(c75.966,21.003) v1(76.049,21.453)
PC12: U1.53 | length 1.4
  TOP w0.152: U1.53 70.248,26.195 ccw(c70.705,26.195) v1(70.276,26.039)
PGND: C40.2 C41.2 C42.2 C43.2 C44.2 C45.2 C46.2 C47.2 TP2.1 TP9.1 | length 139.9
  TOP w2.54: C44.2 C41.2 2.1,42.1 2.1,53.6 5.4,56.9 C46.2@15.5,56.9 ; C46.2 74.9,57.1 75,57 C40.2 C47.2@86.5,57 ; C43.2 C45.2 89.5,42 89.5,54.17 86.87,56.8 C47.2@86.5,56.8
PHA: J4.5 U6.3
PHB: J8.5 U7.3
PHC: J7.6 U8.3
RX_SDA_NSS: D7.3 J6.1 U1.20 U1.30
  other v1: 66.252,17.225
SCK_ADC_EXT: C38.2 D7.6 R33.2 U1.21 | length 0.9
  TOP w0.254: 85.195,12.813 v1(86.084,12.813)
  other v1: 66.748,17.714
SERVO: C36.2 R26.1 U1.58
  other v1: 10,24.309 67.748,25.46
SHA: C26.1 J4.3 R5.2 U5.6 U6.2
SHB: C20.1 J8.3 R3.2 U2.6 U7.2
SHC: C21.1 J7.4 R1.2 U3.6 U8.2
SHUTDOWN: R32.1 U1.25
SWCLK: J1.3 U1.49
SWDIO: J1.4 U1.46
TX_SCL_MOSI: D7.4 J6.2 U1.23 U1.29
  other v1: 70.755,17.303
UART_RX: J6.5 U1.52 U9.15
  other v1: 70.748,25.46 71.263,26.039
UART_TX: J6.4 U1.51 U9.17
USB_DM: D6.6 R24.2 U1.44
USB_DP: D6.1 R23.2 U1.45
VB1: C26.2 D5.1 U5.8
VB2: C20.2 D3.1 U2.8
VB3: C21.2 D4.1 U3.8
VBAT: C40.1 C41.1 C42.1 C43.1 C44.1 C45.1 C46.1 C47.1 TP1.1 TP3.1 | length 60.4
  TOP w2.032: C41.1@5.4,47.1 C44.1 ; C41.1@5.4,47.2 C42.1 23.4,52.1 TP3.1 ; TP3.1@25.5,49.9 TP3.1@25.5,50.5 ; C40.1@76,51.8 76.5,51.8 86.4,51.8 86.5,51.8 C45.1 C43.1
VIN: C63.1 C64.1 J5.1 R7.2 R30.1 U10.2
VOLTAGE_A: C1.2 R5.1 R6.2 U1.14
VOLTAGE_B: C2.2 R3.1 R4.2 U1.15
VOLTAGE_C: C5.2 R1.1 R2.2 U1.16
pads on no net: A1.NC D6.3 D6.4 J3.A5 J3.A8 J3.B5 J3.B8 J9.13 J9.14 TP4.1 TP5.1 TP6.1 TP7.1 TP8.1 U1.2 U1.3 U1.4 U1.55 U1.56 U6.1 U7.1 U8.1 U9.2 U9.3 U9.4 U9.5 U9.6 U9.8 U9.9 U9.10 U9.11 U9.14 U9.16 U9.18 U9.19 U9.20 U9.21 U9.22 U9.25 U9.26 U9.27 U9.28 U9.40 U9.41 U9.42 U9.43 U9.44 U9.47 U9.48 U10.4 U11.4 U12.4 U14.2 U14.3 U14.4 U14.9 U14.10 U14.11
copper on no net: | length 3.9
  BOTTOM w0.152: 18.838,33.781 22.741,33.781
  other v1: 64.573,24.96 69.748,25.46

## Polygon pours and split planes (outlines as drawn)
GND on TOP "GND_L01_P040" (solid, remove dead copper, pour order 40): 6,0 cw(c6,5.5) 0.5,5.5 0.5,50.5 cw(c6,50.5) 6,56 86,56 cw(c86,50.5) 91.5,50.5 91.5,5.5 cw(c86,5.5) 86,0
3V3 on TOP "3V3_L01_P038" (solid, pour order 38): 72.62,9.658 cw(c72.418,9.658) 72.418,9.455 69.307,9.455 cw(c69.306,9.608) 69.154,9.608 69.154,10.445 cw(c69.307,10.445) 69.307,10.598 70.611,10.598 cw(c70.612,10.411) 70.799,10.411 70.799,10.319 ccw(c70.933,10.319) 70.933,10.186 72.405,10.186 cw(c72.405,9.971) 72.62,9.971
3V3 on TOP "3V3_L01_P037" (solid, pour order 37): 59.646,9.749 cw(c59.444,9.749) 59.443,9.547 56.332,9.547 cw(c56.332,9.7) 56.18,9.7 56.18,10.537 cw(c56.333,10.537) 56.333,10.69 57.637,10.69 cw(c57.637,10.503) 57.825,10.503 57.825,10.411 ccw(c57.958,10.411) 57.958,10.277 59.431,10.277 cw(c59.431,10.063) 59.646,10.063
3V3 on TOP "3V3_L01_P012" (solid, pour order 12): 32.348,10.193 cw(c32.146,10.193) 32.146,9.991 29.035,9.991 cw(c29.035,10.143) 28.882,10.144 28.882,10.98 cw(c29.035,10.98) 29.036,11.134 30.34,11.134 cw(c30.34,10.946) 30.527,10.946 30.527,10.855 ccw(c30.661,10.855) 30.661,10.721 32.134,10.721 cw(c32.134,10.507) 32.348,10.507
no net on Top Overlay "Bottom Overlay-No Net" (solid): 256 vertices, not listed, extent 75.974,12.892 80.743,14.968
no net on Top Overlay "Bottom Overlay-No Net" (solid): 192 vertices, not listed, extent 79.024,12.429 80.398,14.131
no net on Top Overlay "Bottom Overlay-No Net" (solid): 225 vertices, not listed, extent 77.388,12.429 79.207,14.131
PGND on Bottom Solder "PGND_L04_P036" (solid, pour order 36): 11.341,34.231 11.341,54.956 80.341,54.956 80.341,49.764 22.6,49.764 22.6,34.231
VBAT on Bottom Solder "LAYER_2-COM" (solid, pour order 35): 80.341,34.275 69.4,34.275 69.4,45.788 15.356,45.788 15.356,50.3 80.341,50.3

## Keep-outs
Keep-Out Layer:
  the board outline again, w0.025

## Silkscreen, mask and mechanical layers (free items; w line width, h text height)
Top Overlay:
  drawing of 6 lines, arcs and shapes, not listed
  text "VBAT" at 22.4,55.326 h2.54
  text "GND" at 63.564,55.026 h2.54
  text "MAX 75V" at 23.58,44.526 h1.52
  text "5V" at 60.6,39.013 h1.27
  text "3.3V" at 68.385,38.213 h1.27
  text "12V" at 23.602,37.713 h1.27
  text "3.3V" at 64.4,28.513 h1.27
  text "GND" at 67,28.513 h1.27
  text "CLK" at 69.8,28.513 h1.27
  text "DIO" at 72.4,28.513 h1.27
  text "GPIO" at 8.882,16.791 h1.78 r90
  text "CAN" at 8.562,9.695 h1.78 r90
  text "USB" at 82.395,8.938 h1.78
  text "REV A" at 78.69,3.941 h0.8
  text "PS 12/24" at 78.701,2.7 h0.8
  text "U" at 15.2,2.447 h4.57
  text "W" at 73.7,2.347 h4.57
  text "V" at 44.8,2.247 h4.57
Bottom Overlay:
  text "GND" at 39.5,37.316 h1.52
  text "ADC2" at 51.5,37.016 h1.52
  text "ADC1" at 55.6,37.016 h1.52
  text "P_EN" at 45.6,36.964 h1.52
  text "H_A" at 42.5,28.664 h1.52
  text "H_B" at 45.8,28.664 h1.52
  text "3.3V" at 56.6,28.616 h1.52
  text "H_C" at 48.9,28.564 h1.52
  text "5V" at 39.2,28.516 h1.52
  text "GND" at 36.2,28.416 h1.52
  text "TEMP" at 53.1,28.316 h1.52
  text "Field-oriented controlleer" at 59.922,25.009 h2.54
DESIGN_OUTLINE:
  circle w0.127: c88,4 r1.6
  circle w0.127: c75.5,9.5 r3.25
  circle w0.127: c46,9.5 r3.25
  circle w0.127: c16.5,9.5 r3.25
  circle w0.127: c25.5,50.5 r3.25
  circle w0.127: c66.5,50.5 r3.25
  circle w0.127: c4,4 r1.6
DRAWING_ORIGIN:
  lines w0.025: 10.865,2.5 12.135,2.5 ; 11.5,1.865 11.5,3.135
Drill Drawing:
  circle w0.254: c15.528,84.999 r0.421
  circle w0.254: c15.528,84.999 r0.701
  circle w0.254: c15.528,66.074 r0.701
  lines w0.254: 14.827,68.527 15.528,68.877 16.229,68.527 15.878,69.228 16.229,69.929 15.528,69.578 14.827,69.929 15.177,69.228 14.827,68.527 ; 14.827,71.681 14.827,72.032 15.177,72.382 14.827,72.733 14.827,73.083 15.177,73.083 15.528,72.733 15.878,73.083 16.229,73.083 16.229,72.733 15.878,72.382 16.229,72.032 16.229,71.681 15.878,71.681 15.528,72.032 15.177,71.681 14.827,71.681 ; 14.827,75.536 15.528,74.835 16.229,75.536 15.528,76.237 14.827,75.536 ; 14.827,78.34 15.177,78.34 15.177,77.99 15.878,77.99 15.878,78.34 16.229,78.34 16.229,79.041 15.878,79.041 15.878,79.391 15.177,79.391 15.177,79.041 14.827,79.041 14.827,78.34 ; 14.827,81.144 16.229,81.144 16.229,82.546 14.827,82.546 14.827,81.144 ; 14.827,88.854 16.229,88.854 15.528,87.452 14.827,88.854 ; 14.827,90.606 16.229,90.606 16.229,92.008 14.827,92.008 14.827,90.606 ; 14.827,94.111 15.177,94.111 15.528,93.761 15.878,94.111 16.229,94.111 15.878,94.461 16.229,94.812 15.878,94.812 15.528,95.162 15.177,94.812 14.827,94.812 15.177,94.461 14.827,94.111 ; 15.107,90.887 15.949,90.887 15.949,91.728 15.107,91.728 15.107,90.887
  lines w0.381: 13.556,64.426 119.988,64.426 ; 13.556,95.968 119.988,95.968 ; 21.663,61.272 21.663,99.123 ; 28.998,61.272 28.998,99.123 ; 43.669,61.272 43.669,99.123 ; 49.955,61.272 49.955,99.123 ; 59.106,61.272 59.106,99.123 ; 71.624,61.272 71.624,99.123 ; 79.123,61.272 79.123,99.123 ; 88.919,61.272 88.919,99.123 ; 102.833,61.272 102.833,99.123 ; 13.556,61.272 119.988,61.272 119.988,99.123 13.556,99.123 13.556,61.272
  text "Symbol" at 15.449,96.915 h1.83
  text "Count" at 22.609,96.915 h1.83
  text "Hole Size" at 29.944,96.915 h1.83
  text "Plated" at 44.616,96.915 h1.83
  text "Hole Type" at 50.901,96.915 h1.83
  text "Drill Layer Pair" at 60.053,96.915 h1.83
  text "Via/Pad" at 72.57,96.915 h1.83
  text "Pad Shape" at 80.069,96.915 h1.83
  text "Hole Length" at 89.865,96.915 h1.83
  text "Routed Path Length" at 103.779,96.915 h1.83
  text "2" at 22.609,93.761 h1.52
  text "40.16mil (1.020mm)" at 29.944,93.761 h1.52
  text "NPTH" at 44.616,93.761 h1.52
  text "Round" at 50.901,93.761 h1.52
  text "TOP - BOTTOM" at 60.053,93.761 h1.52
  text "Pad" at 72.57,93.761 h1.52
  text "Rounded" at 80.069,93.761 h1.52
  text "-" at 89.865,93.761 h1.52
  text "-" at 103.779,93.761 h1.52
  text "2" at 22.609,90.606 h1.52
  text "125.98mil (3.200mm)" at 29.944,90.606 h1.52
  text "NPTH" at 44.616,90.606 h1.52
  text "Round" at 50.901,90.606 h1.52
  text "TOP - BOTTOM" at 60.053,90.606 h1.52
  text "Pad" at 72.57,90.606 h1.52
  text "Rounded" at 80.069,90.606 h1.52
  text "-" at 89.865,90.606 h1.52
  text "-" at 103.779,90.606 h1.52
  text "2" at 22.609,87.452 h1.52
  text "125.98mil (3.200mm)" at 29.944,87.452 h1.52
  text "PTH" at 44.616,87.452 h1.52
  text "Round" at 50.901,87.452 h1.52
  text "TOP - BOTTOM" at 60.053,87.452 h1.52
  text "Pad" at 72.57,87.452 h1.52
  text "Rounded" at 80.069,87.452 h1.52
  text "-" at 89.865,87.452 h1.52
  text "-" at 103.779,87.452 h1.52
  text "2" at 22.609,84.298 h1.52
  text "320.87mil (8.150mm)" at 29.944,84.298 h1.52
  text "PTH" at 44.616,84.298 h1.52
  text "Round" at 50.901,84.298 h1.52
  text "TOP - BOTTOM" at 60.053,84.298 h1.52
  text "Pad" at 72.57,84.298 h1.52
  text "Rounded" at 80.069,84.298 h1.52
  text "-" at 89.865,84.298 h1.52
  text "-" at 103.779,84.298 h1.52
  text "3" at 22.609,81.144 h1.52
  text "320.87mil (8.150mm)" at 29.944,81.144 h1.52
  text "NPTH" at 44.616,81.144 h1.52
  text "Round" at 50.901,81.144 h1.52
  text "TOP - BOTTOM" at 60.053,81.144 h1.52
  text "Pad" at 72.57,81.144 h1.52
  text "Rounded" at 80.069,81.144 h1.52
  text "-" at 89.865,81.144 h1.52
  text "-" at 103.779,81.144 h1.52
  text "4" at 22.609,77.99 h1.52
  text "19.69mil (0.500mm)" at 29.944,77.99 h1.52
  text "PTH" at 44.616,77.99 h1.52
  text "Slot" at 50.901,77.99 h1.52
  text "TOP - BOTTOM" at 60.053,77.99 h1.52
  text "Pad" at 72.57,77.99 h1.52
  text "Rounded" at 80.069,77.99 h1.52
  text "57.09mil (1.450mm)" at 89.865,77.99 h1.52
  text "37.40mil (0.950mm)" at 103.779,77.99 h1.52
  text "12" at 22.609,74.835 h1.52
  text "40.16mil (1.020mm)" at 29.944,74.835 h1.52
  text "PTH" at 44.616,74.835 h1.52
  text "Round" at 50.901,74.835 h1.52
  text "TOP - BOTTOM" at 60.053,74.835 h1.52
  text "Pad" at 72.57,74.835 h1.52
  text "(Mixed)" at 80.069,74.835 h1.52
  text "-" at 89.865,74.835 h1.52
  text "-" at 103.779,74.835 h1.52
  text "16" at 22.609,71.681 h1.52
  text "16.54mil (0.420mm)" at 29.944,71.681 h1.52
  text "PTH" at 44.616,71.681 h1.52
  text "Round" at 50.901,71.681 h1.52
  text "TOP - BOTTOM" at 60.053,71.681 h1.52
  text "Pad" at 72.57,71.681 h1.52
  text "Rectangle" at 80.069,71.681 h1.52
  text "-" at 89.865,71.681 h1.52
  text "-" at 103.779,71.681 h1.52
  text "24" at 22.609,68.527 h1.52
  text "39.37mil (1.000mm)" at 29.944,68.527 h1.52
  text "PTH" at 44.616,68.527 h1.52
  text "Round" at 50.901,68.527 h1.52
  text "TOP - BOTTOM" at 60.053,68.527 h1.52
  text "Pad" at 72.57,68.527 h1.52
  text "(Mixed)" at 80.069,68.527 h1.52
  text "-" at 89.865,68.527 h1.52
  text "-" at 103.779,68.527 h1.52
  text "46" at 22.609,65.373 h1.52
  text "9.84mil (0.250mm)" at 29.944,65.373 h1.52
  text "PTH" at 44.616,65.373 h1.52
  text "Round" at 50.901,65.373 h1.52
  text "TOP - BOTTOM" at 60.053,65.373 h1.52
  text "Via" at 72.57,65.373 h1.52
  text "Rounded" at 80.069,65.373 h1.52
  text "-" at 89.865,65.373 h1.52
  text "-" at 103.779,65.373 h1.52
  text "113 Total" at 22.609,62.219 h1.52
  text "Slot definitions :" at 15.449,60.011 h1.52
  text "Routed Path Length" at 25.843,60.011 h1.52
  text "= Calculated from tool start centre position to tool end centre position." at 38.719,60.011 h1.52
  text "Hole Length" at 25.843,58.749 h1.52
  text "= Routed Path Length + Tool Size = Slot length as defined in the PCB layout" at 33.939,58.749 h1.52

## Text inside footprints (layer, text, board x,y; h text height)
C1: PIN_NUMBER "2" at 47.003,19.606 h0.64 r270; PIN_NUMBER "1" at 47.003,20.495 h0.64 r270
C2: PIN_NUMBER "1" at 47.511,22.928 h0.64 r90; PIN_NUMBER "2" at 47.511,23.817 h0.64 r90
C3: PIN_NUMBER "1" at 60.557,24.886 h0.64 r270; PIN_NUMBER "2" at 60.557,23.997 h0.64 r270
C4: PIN_NUMBER "1" at 61.065,21.516 h0.64 r90; PIN_NUMBER "2" at 61.065,22.405 h0.64 r90
C5: PIN_NUMBER "2" at 47.003,15.946 h0.64 r270; PIN_NUMBER "1" at 47.003,16.835 h0.64 r270
C6: PIN_NUMBER "1" at 61.066,17.479 h0.64 r180; PIN_NUMBER "2" at 60.177,17.479 h0.64 r180
C7: PIN_NUMBER "2" at 60.699,19.026 h0.64; PIN_NUMBER "1" at 59.81,19.026 h0.64
C8: PIN_NUMBER "2" at 76.155,25.993 h0.64 r180; PIN_NUMBER "1" at 77.044,25.993 h0.64 r180
C9: PIN_NUMBER "2" at 73.746,16.154 h0.64 r180; PIN_NUMBER "1" at 74.635,16.154 h0.64 r180
C10: PIN_NUMBER "2" at 60.699,18.066 h0.64; PIN_NUMBER "1" at 59.81,18.066 h0.64
C11: PIN_NUMBER "1" at 64.865,14.146 h0.64; PIN_NUMBER "2" at 65.754,14.146 h0.64
C12: PIN_NUMBER "1" at 61.665,26.346 h0.64; PIN_NUMBER "2" at 62.554,26.346 h0.64
C13: PIN_NUMBER "2" at 63.546,27.906 h0.64 r270; PIN_NUMBER "1" at 63.546,28.795 h0.64 r270
C14: PIN_NUMBER "1" at 71.573,14.146 h0.64; PIN_NUMBER "2" at 72.462,14.146 h0.64
C15: PIN_NUMBER "2" at 76.663,24.406 h0.64; PIN_NUMBER "1" at 75.774,24.406 h0.64
C16: PIN_NUMBER "1" at 61.04,5.996 h0.64 r270; PIN_NUMBER "2" at 61.04,4.594 h0.64 r270
C17: PIN_NUMBER "1" at 60.631,2.627 h0.64 r180; PIN_NUMBER "2" at 59.229,2.627 h0.64 r180
C18: PIN_NUMBER "1" at 71.641,2.746 h0.64 r180; PIN_NUMBER "2" at 70.239,2.746 h0.64 r180
C19: PIN_NUMBER "1" at 72.051,5.964 h0.64 r270; PIN_NUMBER "2" at 72.051,4.562 h0.64 r270
C20: PIN_NUMBER "2" at 51.71,4.532 h0.64 r270; PIN_NUMBER "1" at 51.71,5.934 h0.64 r270
C21: PIN_NUMBER "2" at 62.694,4.557 h0.64 r270; PIN_NUMBER "1" at 62.694,5.959 h0.64 r270
C22: PIN_NUMBER "2" at 14.983,24.929 h0.64 r180; PIN_NUMBER "1" at 15.872,24.929 h0.64 r180
C23: PIN_NUMBER "1" at 13.078,15.531 h0.64 r270; PIN_NUMBER "2" at 13.078,14.642 h0.64 r270
C24: PIN_NUMBER "1" at 31.962,3.022 h0.64 r180; PIN_NUMBER "2" at 30.56,3.022 h0.64 r180
C25: PIN_NUMBER "1" at 32.316,6.337 h0.64 r270; PIN_NUMBER "2" at 32.316,4.935 h0.64 r270
C26: PIN_NUMBER "1" at 22.816,6.391 h0.64 r270; PIN_NUMBER "2" at 22.816,4.989 h0.64 r270
C27: PIN_NUMBER "2" at 41.042,23.388 h0.64; PIN_NUMBER "1" at 40.153,23.388 h0.64
C28: PIN_NUMBER "2" at 41.042,22.282 h0.64; PIN_NUMBER "1" at 40.153,22.282 h0.64
C29: PIN_NUMBER "2" at 70.633,11.409 h0.64 r270; PIN_NUMBER "1" at 70.633,12.298 h0.64 r270
C30: PIN_NUMBER "2" at 41.154,15.746 h0.64; PIN_NUMBER "1" at 40.265,15.746 h0.64
C31: PIN_NUMBER "2" at 41.154,14.646 h0.64; PIN_NUMBER "1" at 40.265,14.646 h0.64
C32: PIN_NUMBER "1" at 31.537,12.918 h0.64 r270; PIN_NUMBER "2" at 31.537,12.029 h0.64 r270
C33: PIN_NUMBER "1" at 40.173,19.566 h0.64; PIN_NUMBER "2" at 41.062,19.566 h0.64
C34: PIN_NUMBER "1" at 40.173,18.616 h0.64; PIN_NUMBER "2" at 41.062,18.616 h0.64
C35: PIN_NUMBER "2" at 58.543,11.544 h0.64 r270; PIN_NUMBER "1" at 58.543,12.433 h0.64 r270
C36: PIN_NUMBER "2" at 8.755,24.055 h0.64; PIN_NUMBER "1" at 7.866,24.055 h0.64
C37: PIN_NUMBER "2" at 38.846,27.246 h0.64 r270; PIN_NUMBER "1" at 38.846,28.135 h0.64 r270
C38: PIN_NUMBER "1" at 47.354,26.865 h0.64 r90; PIN_NUMBER "2" at 47.354,27.754 h0.64 r90
C39: PIN_NUMBER "1" at 49.354,26.865 h0.64 r90; PIN_NUMBER "2" at 49.354,27.754 h0.64 r90
C48: PIN_NUMBER "1" at 81.654,22.754 h0.64 r90; PIN_NUMBER "2" at 81.654,23.643 h0.64 r90
C49: PIN_NUMBER "1" at 84.946,24.089 h0.64 r270; PIN_NUMBER "2" at 84.946,23.2 h0.64 r270
C50: PIN_NUMBER "1" at 86.946,24.089 h0.64 r270; PIN_NUMBER "2" at 86.946,23.2 h0.64 r270
C51: PIN_NUMBER "1" at 85.946,24.089 h0.64 r270; PIN_NUMBER "2" at 85.946,23.2 h0.64 r270
C52: PIN_NUMBER "1" at 89.95,24.108 h0.64 r270; PIN_NUMBER "2" at 89.95,23.219 h0.64 r270
C53: PIN_NUMBER "1" at 90.246,31.795 h0.64 r270; PIN_NUMBER "2" at 90.246,30.906 h0.64 r270
C54: PIN_NUMBER "1" at 90.246,27.395 h0.64 r270; PIN_NUMBER "2" at 90.246,26.506 h0.64 r270
C55: PIN_NUMBER "1" at 79.168,33.533 h0.64 r270; PIN_NUMBER "2" at 79.168,32.644 h0.64 r270
C56: PIN_NUMBER "1" at 81.635,33.612 h0.64 r180; PIN_NUMBER "2" at 80.746,33.612 h0.64 r180
C57: PIN_NUMBER "1" at 78.454,34.005 h0.64 r90; PIN_NUMBER "2" at 78.454,34.894 h0.64 r90
C58: PIN_NUMBER "1" at 81.404,30.195 h0.64 r270; PIN_NUMBER "2" at 81.404,29.306 h0.64 r270
C59: PIN_NUMBER "1" at 81.404,27.395 h0.64 r270; PIN_NUMBER "2" at 81.404,26.506 h0.64 r270
C60: PIN_NUMBER "1" at 79.676,27.01 h0.64 r90; PIN_NUMBER "2" at 79.676,27.899 h0.64 r90
C61: PIN_NUMBER "1" at 80.713,27.01 h0.64 r90; PIN_NUMBER "2" at 80.713,27.899 h0.64 r90
C62: PIN_NUMBER "2" at 31.047,31.605 h0.64 r90; PIN_NUMBER "1" at 31.047,30.203 h0.64 r90
C63: PIN_NUMBER "1" at 21.274,28.514 h0.64 r90; PIN_NUMBER "2" at 21.274,31.816 h0.64 r90
C64: PIN_NUMBER "2" at 22.204,31.605 h0.64 r90; PIN_NUMBER "1" at 22.204,30.203 h0.64 r90
C65: PIN_NUMBER "2" at 21.827,35.627 h0.64; PIN_NUMBER "1" at 19.825,35.627 h0.64
C66: PIN_NUMBER "2" at 21.827,33.827 h0.64; PIN_NUMBER "1" at 19.825,33.827 h0.64
C67: PIN_NUMBER "1" at 59.254,33.565 h0.64 r90; PIN_NUMBER "2" at 59.254,34.454 h0.64 r90
C68: PIN_NUMBER "2" at 31.516,27.117 h0.64 r270; PIN_NUMBER "1" at 31.516,28.519 h0.64 r270
C69: PIN_NUMBER "1" at 63.746,34.835 h0.64 r270; PIN_NUMBER "2" at 63.746,33.946 h0.64 r270
C70: PIN_NUMBER "2" at 12.591,30.405 h0.64 r270; PIN_NUMBER "1" at 12.591,31.294 h0.64 r270
C71: PIN_NUMBER "2" at 14.27,35.525 h0.64 r180; PIN_NUMBER "1" at 16.272,35.525 h0.64 r180
C72: PIN_NUMBER "2" at 14.27,33.719 h0.64 r180; PIN_NUMBER "1" at 16.272,33.719 h0.64 r180
C73: PIN_NUMBER "2" at 10.771,33.719 h0.64; PIN_NUMBER "1" at 8.77,33.719 h0.64
C74: PIN_NUMBER "2" at 10.771,35.525 h0.64; PIN_NUMBER "1" at 8.77,35.525 h0.64
C75: PIN_NUMBER "2" at 66.846,33.746 h0.64 r270; PIN_NUMBER "1" at 66.846,34.635 h0.64 r270
C76: PIN_NUMBER "2" at 71.946,33.846 h0.64 r270; PIN_NUMBER "1" at 71.946,34.735 h0.64 r270
C77: PIN_NUMBER "2" at 37.849,12.351 h0.64 r180; PIN_NUMBER "1" at 38.738,12.351 h0.64 r180
C78: PIN_NUMBER "2" at 37.849,11.351 h0.64 r180; PIN_NUMBER "1" at 38.738,11.351 h0.64 r180
D1: PIN_NUMBER "2" at 11.151,4.654 h0.64; PIN_NUMBER "1" at 9.55,4.654 h0.64